# Altium PCB PE100-Rev1_1.PcbDoc (part 1 of 2) (continued)
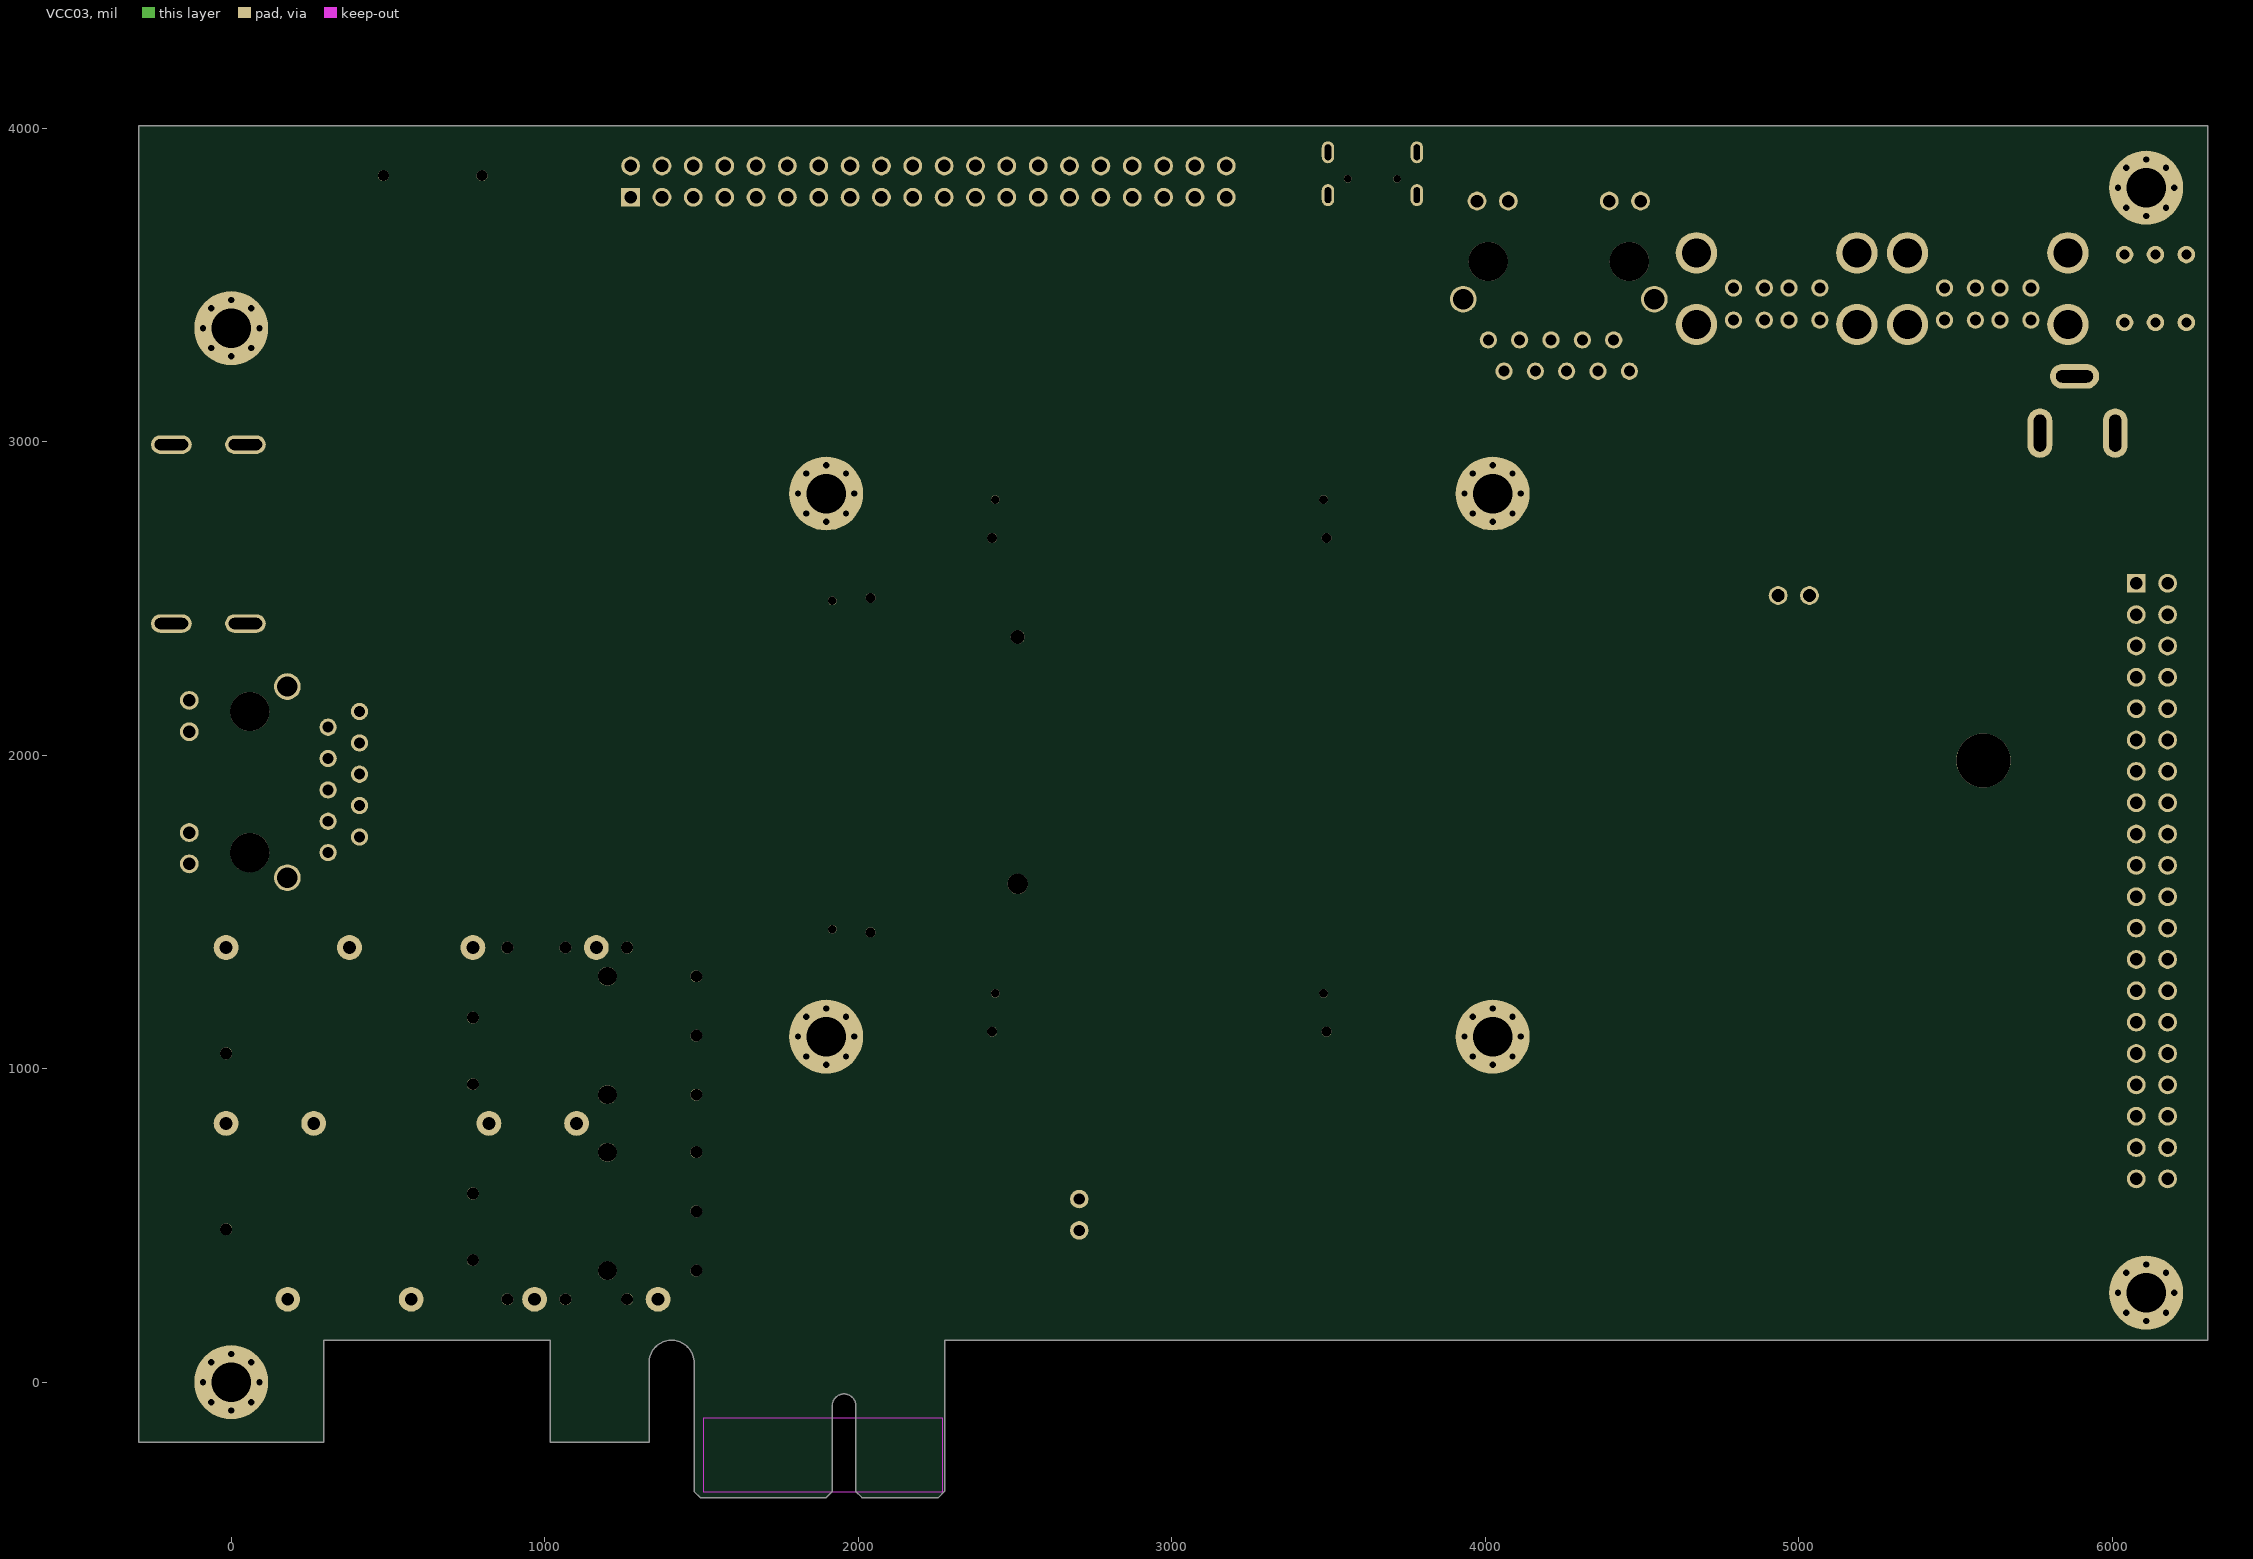
[diagram p3: VCC03]

## Layer stack, top to bottom
Top Solder: solder mask 0.4, Solder Resist, Dk 3.5
TOP: signal copper 1.2
Dielectric 1: core 8, FR-4, Dk 4.5
GND02: signal copper 1.2
Dielectric2: core 8, FR-4, Dk 4.5
VCC03: signal copper 1.2
Dielectric3: core 8, FR-4, Dk 4.5
BOTTOM: signal copper 1.2
Bottom Solder: solder mask 0.4, Solder Resist, Dk 3.5

## Board outline
1476.38,-348.42 1476.38,62.01 ccw(c1404.53,62.01) 1332.68,-190.94 1017.72,-190.94 1017.72,133.86 295.28,133.86 295.28,-190.94 -295.27,-190.94 -295.27,4007.88 6305.12,4007.88 6305.12,133.86 2275.6,133.86 2275.6,-348.07 2255.56,-368.11 2011.82,-368.11 1992.13,-348.42 1992.13,-74.8 ccw(c1954.73,-74.8) 1917.33,-348.42 1897.64,-368.11 1496.07,-368.11

## Design rules (kind name [scope] priority, off if disabled: settings)
Clearance [All] p1: gap=10 ignorepadtopadclearanceinfootprint=FALSE except(0: Arc-Hole Track-Hole SMDPad-Hole THPad-Hole Via-Hole Fill-Hole Poly-Hole Region-Hole Text-Hole)
DiffPairsRouting [All] p1: maxlimit=10 minlimit=10 mostfreqgap=10 toplayer_minwidth=15 toplayer_maxwidth=15 toplayer_prefwidth=15 midlayer1_minwidth=15 midlayer1_maxwidth=15 midlayer1_prefwidth=15 midlayer2_minwidth=15 midlayer2_maxwidth=15 midlayer2_prefwidth=15 bottomlayer_minwidth=15 bottomlayer_maxwidth=15 bottomlayer_prefwidth=15 maxuncoupledlength=500
PlaneConnect [All] p1: planeconnectstyle=Direct reliefexpansion=20 reliefentries=4 reliefconductorwidth=10 reliefairgap=10
PolygonConnect [All] p1: connectstyle=Direct reliefconductorwidth=10 reliefentries=4 polygonreliefangle="90 Angle" airgapwidth=10
RoomDefinition RoomsKeepin1 [All vs False] p1: confinementstyle=ConfineIn formatcopy=TRUE lockcomponents=FALSE outline 1673.23,-171.26 1673.23,62.01 1672.21,85.43 1669.15,108.67 1664.08,131.56 1657.03,153.91 1648.06,175.57 1637.23,196.36 1624.64,216.13 1610.37,234.73 1594.53,252.01 1577.25,267.85 1558.65,282.12 1538.88,294.71 1518.09,305.54 1496.43,314.51 1474.08,321.56 1451.19,326.63 1427.95,329.69 1404.53,330.71 1381.11,329.69 1357.87,326.63 1334.99,321.56 1312.63,314.51 1290.97,305.54 1270.18,294.71 1250.41,282.12 1231.82,267.85 1214.57,252.05 1214.57,330.71 98.43,330.71 98.43,5.91 -98.42,5.91 -98.42,3811.03 6108.27,3811.03 6108.27,330.71 2078.75,330.71 2078.75,123.93 2060.96,133.98 2042.36,142.44 2023.09,149.26 2003.3,154.36 1983.14,157.72 1962.77,159.31 1942.33,159.12 1921.99,157.15 1901.9,153.42 1882.21,147.94 1863.08,140.78 1844.64,131.97 1827.03,121.59 1810.4,109.71 1794.87,96.43 1780.56,81.84 1767.57,66.07 1756,49.22 1745.95,31.43 1737.49,12.83 1730.68,-6.44 1725.57,-26.23 1722.21,-46.39 1720.62,-66.76 1720.48,-74.8 1720.48,-171.26 1673.23,-171.26
RoomDefinition RoomsKeepin0 [All vs False] p2: confinementstyle=ConfineIn formatcopy=TRUE lockcomponents=FALSE outline 1673.23,-171.26 1673.23,62.01 1672.21,85.43 1669.15,108.67 1664.08,131.56 1657.03,153.91 1648.06,175.57 1637.23,196.36 1624.64,216.13 1610.37,234.73 1594.53,252.01 1577.25,267.85 1558.65,282.12 1538.88,294.71 1518.09,305.54 1496.43,314.51 1474.08,321.56 1451.19,326.63 1427.95,329.69 1404.53,330.71 1381.11,329.69 1357.87,326.63 1334.99,321.56 1312.63,314.51 1290.97,305.54 1270.18,294.71 1250.41,282.12 1231.82,267.85 1214.57,252.05 1214.57,330.71 98.43,330.71 98.43,5.91 -98.42,5.91 -98.42,3811.03 6108.27,3811.03 6108.27,330.71 2078.75,330.71 2078.75,123.93 2060.96,133.98 2042.36,142.44 2023.09,149.26 2003.3,154.36 1983.14,157.72 1962.77,159.31 1942.33,159.12 1921.99,157.15 1901.9,153.42 1882.21,147.94 1863.08,140.78 1844.64,131.97 1827.03,121.59 1810.4,109.71 1794.87,96.43 1780.56,81.84 1767.57,66.07 1756,49.22 1745.95,31.43 1737.49,12.83 1730.68,-6.44 1725.57,-26.23 1722.21,-46.39 1720.62,-66.76 1720.48,-74.8 1720.48,-171.26 1673.23,-171.26
RoutingVias [All] p1: holewidth=28 width=50 viastyle="Through Hole" minholewidth=28 minwidth=50 maxholewidth=28 maxwidth=50
SolderMaskExpansion [All] p1: expansion=4 istentingtop=FALSE
Width [All] p1: maxlimit=10 minlimit=10 preferedwidth=10 impedanceprofiledriven=TRUE minimp=0.000000 maximp=60.000000 favimp=60.000000
28 further rules are at their usual default settings.

## Classes and differential pairs
differential pair XADC_V: +XADC_VN -XADC_VP
differential pair DIFFPAIR9: +USB2UART_DM -USB2UART_DP
differential pair USB_OTG_: +USB_OTG_N -USB_OTG_P
differential pair TMDS_TXC_: +TMDS_TXC_N -TMDS_TXC_P
differential pair TMDS_TX2_: +TMDS_TX2_N -TMDS_TX2_P
differential pair TMDS_TX1_: +TMDS_TX1_N -TMDS_TX1_P
differential pair TMDS_TX0_: +TMDS_TX0_N -TMDS_TX0_P
differential pair SFP2_TX_: +SFP2_TX_N -SFP2_TX_P
differential pair SFP2_RX_: +SFP2_RX_N -SFP2_RX_P
differential pair SFP1_TX_: +SFP1_TX_N -SFP1_TX_P
differential pair SFP1_RX_: +SFP1_RX_N -SFP1_RX_P
differential pair DP_PCIE_TX_: +PCIE_TX_N -PCIE_TX_P
differential pair DP_PCIE_TX_: +PCIE_TX_CP -PCIE_TX_N
differential pair DP_PCIE_TX_: +PCIE_TX_CN -PCIE_TX_CP
differential pair DP_PCIE_RX_: +PCIE_RX_N -PCIE_RX_P
differential pair DIFFPAIR14: +PCIE_CLK_N -PCIE_CLK_P
differential pair DIFFPAIR14: +N18488617 -PCIE_CLK_N
differential pair DIFFPAIR14: +N18488615 -N18488617
differential pair DIFFPAIR14: +N18488591 -N18488615
differential pair DIFFPAIR14: +N18488589 -N18488591
differential pair DIFFPAIR11: +N18483477 -N18483479
differential pair DIFFPAIR10: +N18236382 -N18236386
differential pair DIFFPAIR7: +N18054907 -N18054909
differential pair DIFFPAIR6: +N18054885 -N18054897
differential pair DIFFPAIR4: +N18054877 -N18054887
differential pair DIFFPAIR5: +N18054871 -N18054879
differential pair DIFFPAIR8: +N18052822 -N18052826
differential pair DIFFPAIR10: +MGT_CLK1_P -N18236382
differential pair DIFFPAIR10: +MGT_CLK1_N -MGT_CLK1_P
differential pair DIFFPAIR13: +M22FPGA_0_N -M22FPGA_0_P
differential pair DIFFPAIR11: +M2_REFCLK_P -N18483477
differential pair DIFFPAIR11: +M2_REFCLK_N -M2_REFCLK_P
differential pair GPIO2_9: +GPIO2_9N -GPIO2_9P
differential pair GPIO2_8: +GPIO2_8N -GPIO2_8P
differential pair GPIO2_7: +GPIO2_7N -GPIO2_7P
differential pair GPIO2_6: +GPIO2_6N -GPIO2_6P
differential pair GPIO2_5: +GPIO2_5N -GPIO2_5P
differential pair GPIO2_4: +GPIO2_4N -GPIO2_4P
differential pair GPIO2_3: +GPIO2_3N -GPIO2_3P
differential pair GPIO2_2: +GPIO2_2N -GPIO2_2P
differential pair GPIO2_1: +GPIO2_1N -GPIO2_1P
differential pair GPIO2_17: +GPIO2_17N -GPIO2_17P
differential pair GPIO2_16: +GPIO2_16N -GPIO2_16P
differential pair GPIO2_15: +GPIO2_15N -GPIO2_15P
differential pair GPIO2_14: +GPIO2_14N -GPIO2_14P
differential pair GPIO2_13: +GPIO2_13N -GPIO2_13P
differential pair GPIO2_12: +GPIO2_12N -GPIO2_12P
differential pair GPIO2_11: +GPIO2_11N -GPIO2_11P
differential pair GPIO2_10: +GPIO2_10N -GPIO2_10P
differential pair GPIO2_0: +GPIO2_0N -GPIO2_0P
differential pair GPIO1_9: +GPIO1_9N -GPIO1_9P
differential pair GPIO1_8: +GPIO1_8N -GPIO1_8P
differential pair GPIO1_7: +GPIO1_7N -GPIO1_7P
differential pair GPIO1_6: +GPIO1_6N -GPIO1_6P
differential pair GPIO1_5: +GPIO1_5N -GPIO1_5P
differential pair GPIO1_4: +GPIO1_4N -GPIO1_4P
differential pair GPIO1_3: +GPIO1_3N -GPIO1_3P
differential pair GPIO1_2: +GPIO1_2N -GPIO1_2P
differential pair GPIO1_1: +GPIO1_1N -GPIO1_1P
differential pair GPIO1_17: +GPIO1_17N -GPIO1_17P
differential pair GPIO1_16: +GPIO1_16N -GPIO1_16P
differential pair GPIO1_15: +GPIO1_15N -GPIO1_15P
differential pair GPIO1_14: +GPIO1_14N -GPIO1_14P
differential pair GPIO1_13: +GPIO1_13N -GPIO1_13P
differential pair GPIO1_12: +GPIO1_12N -GPIO1_12P
differential pair GPIO1_11: +GPIO1_11N -GPIO1_11P
differential pair GPIO1_10: +GPIO1_10N -GPIO1_10P
differential pair GPIO1_0: +GPIO1_0N -GPIO1_0P
differential pair DIFFPAIR12: +FPGA2M2_0_N -FPGA2M2_0_P
differential pair DIFFPAIR12: +FPGA2M2_0_AC_P -FPGA2M2_0_N
differential pair DIFFPAIR12: +FPGA2M2_0_AC_N -FPGA2M2_0_AC_P
differential pair ETH1_MDI3_: +ETH1_MDI3_N -ETH1_MDI3_P
differential pair ETH1_MDI2_: +ETH1_MDI2_N -ETH1_MDI2_P
differential pair ETH1_MDI1_: +ETH1_MDI1_N -ETH1_MDI1_P
differential pair ETH1_MDI0_: +ETH1_MDI0_N -ETH1_MDI0_P
differential pair ETH_MDI3_: +ETH0_MDI3_N -ETH0_MDI3_P
differential pair ETH_MDI2_: +ETH0_MDI2_N -ETH0_MDI2_P
differential pair ETH_MDI1_: +ETH0_MDI1_N -ETH0_MDI1_P
differential pair ETH_MDI0_: +ETH0_MDI0_N -ETH0_MDI0_P
differential pair DIFFPAIR14: +CLK_N -N18488589
differential pair DIFFPAIR14: +CLK_CP -CLK_N

## Components (designator, comment, footprint, x,y, rotation, side; value= is the part's Value field where it differs from the comment)
B1 "BEAD_0603L_BLM18PG121SN1D" 0603L#1 3383.86,538.89 r90 top
B2 "BEAD_0603L_BLM18PG121SN1D" 0603L#1 2606.77,950 r180 top
B3 "BEAD_0603L_BLM18PG121SN1D" 0603L#1 2165,2410 r270 bottom
B4 "BEAD_0603L_BLM18PG121SN1D" 0603L#1 5620,3214.85 r90 bottom
B5 "BEAD_0603L_BLM18PG121SN1D" 0603L#1 5685,3214.85 r90 bottom
B6 "BEAD_0603L_BLM18PG121SN1D" 0603L#1 4990,3214.85 r90 bottom
B7 "BEAD_0603L_BLM18PG121SN1D" 0603L#1 5050,3214.85 r90 bottom
B8 "BEAD_0603L_BLM18PG121SN1D" 0603L#2 879.58,1690 r0 bottom
B9 "BEAD_0603L_BLM18PG121SN1D" 0603L#1 784.58,1800 r0 bottom
B12 "BEAD_0402L_BLM15AX601SN1D" 0402L 2610.39,580.77 r90 top
B13 "BEAD_0402L_BLM15AX601SN1D" 0402L 1710,1386.46 r0 bottom
B14 "BEAD_0603L_BLM18PG121SN1D" 0603L#1 932.67,1237.92 r90 bottom
B15 "BEAD_0603L_BLM18PG121SN1D" 0603L#1 932.67,1102.92 r270 bottom
B16 "BEAD_0603L_BLM18PG121SN1D" 0603L#1 932.67,676.89 r90 bottom
B17 "BEAD_0603L_BLM18PG121SN1D" 0603L#1 932.67,541.89 r270 bottom
B18 "BEAD_0603L_BLM18PG121SN1D(NC)" 0603L#1 3443.86,538.89 r90 top
C1 "CAP_0805C_10UF/25V" 0805C#1 4985,2335 r270 top
C2 "CAP_0805C_10UF/25V" 0805C#1 4985,2255 r270 top
C3 "C_0402C_0.1UF" 0402C#1 3695,3645 r0 bottom
C4 "C_0603C_10UF/10V" 0603C#1 3755.53,3626.82 r270 top
C5 "C_0402C_0.1UF" 0402C#1 3745.54,3681.82 r270 top
C6 "C_0402C_0.1UF" 0402C#1 3823.21,3499.38 r270 bottom
C7 "C_0603C_10UF/6.3V" 0603C#1 685,3305 r0 bottom
C8 "C_0402C_0.1UF" 0402C#1 635,3315 r0 bottom
C9 "CAP_0402C_0.1UF" 0402C#1 860.17,3320 r0 bottom
C10 "CAP_0402C_0.1UF" 0402C#1 1015,3140.47 r270 bottom
C11 "CAP_0603C_10UF/6.3V" 0603C#2 4775.98,3178.59 r0 bottom
C12 "CAP_0402C_0.1UF" 0402C#2 4831.65,3178.59 r0 bottom
C13 "CAP_0402C_0.1UF" 0402C#1 4980.98,3118.59 r90 bottom
C14 "CAP_0402C_0.1UF" 0402C#1 4645.39,2977.24 r270 top
C15 "CAP_0402C_1UF" 0402C#1 4960.08,2872.24 r90 top
C16 "CAP_0402C_1UF" 0402C#1 4880.39,3263.59 r90 top
C17 "CAP_0402C_12PF" 0402C#1 5005.08,2789.64 r0 top
C18 "CAP_0402C_12PF" 0402C#1 4775,2735 r270 top
C19 "CAP_0603C_10UF/10V" 0603C#2 5560,3214.85 r0 bottom
C20 "CAP_0603C_10UF/10V" 0603C#1 5200.97,2848.59 r90 bottom
C21 "CAP_0603C_10UF/10V" 0603C#2 5745.52,3214.85 r0 bottom
C22 "CAP_0402C_0.1UF" 0402C#1 5200.98,2903.59 r90 bottom
C23 "CAP_0603C_10UF/10V" 0603C#1 5485.97,3214.85 r0 bottom
C24 "CAP_0805C_47UF/10V" 0805C#1 5235.98,3198.59 r0 bottom
C25 "CAP_0805C_47UF/10V" 0805C#1 5415.98,3198.59 r0 bottom
C26 "CAP_0805C_47UF/10V" 0805C#1 5325.97,3198.59 r0 bottom
C27 "CAP_0603C_10UF/10V" 0603C#2 4905,3215 r0 bottom
C28 "CAP_0603C_10UF/10V" 0603C#2 5107.46,3214.85 r0 bottom
C29 "C_0402C_0.1UF" 0402C#1 4459.81,3083.59 r0 top
C30 "CAP_1206C_100PF/1000V" 1206C#1 4288.11,3690.5 r90 bottom
C35 "CAP_0402C_0.1UF" 0402C#1 1545,3493 r90 top
C36 "CAP_0402C_0.1UF" 0402C#1 1545,3303 r90 top
C37 "CAP_0402C_0.1UF" 0402C#1 1545,3113 r90 top
C38 "CAP_0603C_10UF/6.3V" 0603C#1 1014.57,1749.03 r90 bottom
C39 "CAP_0402C_0.1UF" 0402C#2 964.58,2049.03 r0 bottom
C40 "CAP_0603C_10UF/6.3V" 0603C#1 879.57,1749.03 r90 bottom
C41 "CAP_0402C_0.1UF" 0402C#1 774.57,1949.03 r270 bottom
C42 "CAP_0402C_0.1UF" 0402C#2 859.58,2049.03 r0 bottom
C43 "CAP_0402C_0.1UF" 0402C#1 1084.57,1924.04 r90 bottom
C44 "CAP_0603C_10UF/6.3V" 0603C#2 794.57,2039.03 r0 bottom
C45 "CAP_0603C_10UF/6.3V" 0603C#1 784.58,1899.03 r270 bottom
C46 "CAP_0402C_0.1UF" 0402C#1 774.58,1849.03 r270 bottom
C47 "C_0402C_0.1UF" 0402C#1 616.74,2134.03 r90 top
C52 "CAP_0402C_12PF" 0402C#1 992.91,1525 r180 top
C53 "CAP_0402C_12PF" 0402C#1 797.91,1525 r0 top
C54 "CAP_0603C_47UF/6.3V" 0603C#1 590,3020 r0 bottom
C55 "CAP_0402C_0.1UF" 0402C#1 695,3010 r0 bottom
C56 "CAP_0402C_0.1UF" 0402C#1 645,3010 r0 bottom
C57 "CAP_0603C_10UF/6.3V" 0603C#2 380,2505 r0 bottom
C58 "CAP_0402C_0.1UF" 0402C#1 475,2509.6 r270 bottom
C59 "CAP_0402C_0.1UF" 0402C#1 475,2555 r270 bottom
C60 "CAP_0402C_0.1UF" 0402C#2 2035,155 r0 bottom
C61 "CAP_0402C_0.1UF" 0402C#2 2080,155 r0 bottom
C62 "CAP_0402C_0.1UF" 0402C#2 2168.45,155 r0 bottom
C63 "CAP_0402C_0.1UF" 0402C#2 2213.45,155 r0 bottom
C66 "CAP_0402C_1UF" 0402C#1 1710,1431.46 r270 bottom
C67 "CAP_0402C_0.1UF" 0402C#1 1712,1478.38 r90 bottom
C68 "CAP_0402C_0.1UF" 0402C#1 2035,590 r0 top
C69 "CAP_0402C_0.1UF" 0402C#1 2080,590 r0 top
C70 "CAP_0402C_0.1UF" 0402C#1 1712,1518.38 r90 bottom
C72 "CAP_0402C_0.1UF" 0402C#1 2184.37,1907.18 r90 bottom
C73 "CAP_0402C_0.1UF" 0402C#1 2184.37,1862.19 r90 bottom
C74 "CAP_0603C_10UF/6.3V" 0603C#1 996.47,1237.92 r0 bottom
C75 "CAP_0402C_0.1UF" 0402C#1 1051.46,1212.92 r0 bottom
C76 "CAP_0603C_10UF/6.3V" 0603C#2 996.47,1102.91 r0 bottom
C77 "CAP_0603C_10UF/6.3V" 0603C#2 996.47,967.91 r0 bottom
C78 "CAP_0402C_0.1UF" 0402C#2 935,977.92 r0 bottom
C79 "CAP_0402C_0.1UF" 0402C#2 1051.46,1122.92 r0 bottom
C80 "CAP_0603C_10UF/6.3V" 0603C#1 996.47,676.89 r0 bottom
C81 "CAP_0402C_0.1UF" 0402C#1 1051.46,651.89 r0 bottom
C82 "CAP_0603C_10UF/6.3V" 0603C#2 996.47,406.89 r0 bottom
C83 "CAP_0603C_10UF/6.3V" 0603C#2 996.47,541.89 r0 bottom
C84 "CAP_0402C_0.1UF" 0402C#2 940,415 r0 bottom
C85 "CAP_0402C_0.1UF" 0402C#2 1051.47,561.89 r0 bottom
C86 "CAP_0402C_0.1UF" 0402C#1 1744.25,3295 r270 top
C87 "CAP_0805C_47UF/10V" 0805C#1 2100,3338.61 r0 top
C88 "CAP_0402C_0.1UF" 0402C#1 2035,3338.61 r0 top
C89 "C_0805C_10UF/25V" 0805C#1 5623.15,2730 r0 top
C90 "C_0805C_10UF/25V" 0805C#1 5710,2730 r0 top
C91 "CAP_0402C_0.1UF" 0402C#1 1744.25,3205 r270 top
C92 "CAP_0402C_0.1UF" 0402C#1 1546.26,2070 r0 top
C93 "CAP_0402C_0.1UF" 0402C#1 455,3264.99 r90 top
C94 "CAP_0402C_15PF" 0402C#1 570.31,3085 r270 top
C95 "CAP_0402C_15PF" 0402C#1 1216.26,2045 r90 top
C96 "CAP_0805C_47UF/6.3V" 0805C#1 300,2955 r90 top
C97 "CAP_0402C_0.1UF" 0402C#1 305,3020 r90 top
C98 "CAP_0805C_47UF/6.3V" 0805C#1 1196.26,2205 r0 top
C99 "CAP_0402C_0.1UF" 0402C#1 1265,2210 r0 top
C100 "CAP_0402C_0.1UF" 0402C#1 4340.01,2510 r180 top
C101 "CAP_0402C_15PF" 0402C#1 4595,2512.8 r180 top
C102 "CAP_0805C_47UF/6.3V" 0805C#1 4685,2375 r180 top
C103 "CAP_0402C_0.1UF" 0402C#1 4615,2375 r180 top
C104 "CAP_1206C_100PF/1000V" 1206C#2 40.5,1880 r0 bottom
C105 "CAP_0402C_0.1UF" 0402C#1 3445,3305 r270 bottom
C106 "CAP_0402C_0.1UF" 0402C#1 225,3475 r270 top
C108 "CAP_0603C_10UF/6.3V" 0603C#1 3503.86,538.89 r180 top
C109 "CAP_0402C_0.1UF" 0402C#1 3723.86,526.49 r180 top
C110 "CAP_0402C_0.1UF" 0402C#1 2570,580.18 r180 top
C111 "CAP_0402C_0.1UF" 0402C#1 475,2465 r90 bottom
C112 "CAP_0402C_0.1UF" 0402C#1 900,2850 r0 bottom
C113 "CAP_0805C_47UF/6.3V" 0805C#1 835,2885 r0 bottom
C114 "CAP_0402C_0.1UF" 0402C#1 915,2500 r90 bottom
C115 "CAP_0402C_0.1UF" 0402C#2 780,2735 r0 bottom
C116 "CAP_0402C_0.1UF" 0402C#2 540,2740 r0 bottom
C117 "CAP_0402C_0.1UF" 0402C#1 475,2600 r270 bottom
C118 "CAP_0805C_47UF/6.3V" 0805C#1 475,2820 r0 bottom
C119 "CAP_0402C_0.1UF" 0402C#1 475,2715 r270 bottom
C120 "CAP_0402C_0.1UF" 0402C#2 585,2740 r0 bottom
C121 "CAP_0805C_47UF/6.3V" 0805C#2 695,2720 r0 bottom
C122 "CAP_0402C_0.1UF" 0402C#2 630,2740 r0 bottom
D1 "BAT54S/SOT_SOT23-236AB_BAT54S/S" SOT23-236AB 920,3285 r270 top
D2 "BAT54S/SOT_SOT23-236AB_BAT54S/S" SOT23-236AB 1035,3600 r270 top
D3 "BAT54S/SOT_SOT23-236AB_BAT54S/S" SOT23-236AB 1035,3425 r270 top
D4 "BAT54S/SOT_SOT23-236AB_BAT54S/S" SOT23-236AB 855,3455 r270 top
D5 "DIODE_SMA_SS36" SMA 5505,2497 r90 top
D6 "LED_0603LED_AK_RED_LED" 0603LED_AK 5840,2750 r180 top
D7 "TVS_SMAJ5_0.0CA_5V_SOD123_AK_BZ" SOD123_AK 5380.31,2450 r270 top
D8 "LED_0603LED_GREEN_LED" 0603LED 1190,2975 r270 top
D9 "LED_0603LED_GREEN_LED" 0603LED 1270,2975 r270 top
D10 "LED_0603LED_GREEN_LED" 0603LED 1345,2975 r270 top
D11 "LED_0603LED_GREEN_LED" 0603LED 1425,2975 r270 top
F1 "FUSE_1812F_2A" 1812F 5475,2948.66 r180 top
F2 "FUSE_0603F_SMD0603-050" 0603F 139.16,2840 r270 bottom
J2 "CON10A_DC3_10P_2P54MM_SM_JTAG" DC3_10P_2P54MM_SM 535,3770 r270 top
J3 "CON2_XH2_1X2_2P54MM_CON2" XH2_1X2_2P54MM 4984.02,2535 r270 top
J4 "USB_MICROTYPE_USBMICRO_H_USB_MI" USBMICRO_H 3640.13,3886.32 r180 top
J5 "MICROSD_1_TF-15-15B_MICROSD" TF-15-15B 680.2,3710.8 r0 bottom
J6 "DUAL USB_USB_TPYEA_DUAL_DUAL US" USB_TPYEA_DUAL 5602.72,3667.33 r270 top
J7 "DUAL USB_USB_TPYEA_DUAL_DUAL US" USB_TPYEA_DUAL 4929.5,3667.33 r270 top
J8 "RJ45_HR911130A_2_RJ45_HR911130A" RJ45_HR911130A 4234.62,3588.59 r0 top
J9 "RJ45_HR911130A_2_RJ45_HR911130A" RJ45_HR911130A 45.28,1914.08 r90 top
J10 "HDMI_HDMI19S_HDMI" HDMI19S -151.57,2705.43 r270 top
J11 "M2_NGFF_REC_M2_KEY_M_SOCKET_M.2" M2_KEY_M_SOCKET 2449.37,1983.11 r0 bottom
J12 "SPF CONNECTOR_1367073-1_SPF CON" 1367073-1 1200,1105.81 r0 top
J13 "SFP CAGE_SFPX2_CASE_SFP CAGE" SFPX2_CASE 529.72,820 r90 top
J14 "SPF CONNECTOR_1367073-1_SPF CON" 1367073-1 1200,544.79 r0 top
J15 "CON40A_IDC40-2_54A_CON40A" IDC40-2_54A 6126.65,1595.96 r270 top
J16 "CON40A_IDC40-2_54A_CON40A" IDC40-2_54A 2226.48,3829.57 r0 top
J18 "POWER_DC-JACK_DC_0050_DC_JACK" DC_0050 6007.76,3056.92 r0 top
J19 "CON2_SIP2-2P54_CON2" SIP2-2P54 2705,535 r270 top
JM1 "CON 50X2_1_QT51A01-38200-7H_CON" QT51A01-38200-7H 2960.63,1181.1 r90 top
JM2 "CON 50X2_1_QT51A01-38200-7H_CON" QT51A01-38200-7H 1976.38,1968.5 r180 top
JM3 "CON 50X2_1_QT51A01-38200-7H_CON" QT51A01-38200-7H 2960.63,2755.91 r90 top
K1 "SW_2P_SW2_3X6_SW_2P" SW2_3X6 1289.26,3490.5 r0 top
K2 "SW_2P_SW2_3X6_SW_2P" SW2_3X6 1289.26,3300.5 r0 top
K3 "SW_2P_SW2_3X6_SW_2P" SW2_3X6 1289.26,3110.5 r0 top
L1 "L_L4020_1.5UH" L4020 1899.25,3340 r0 top
L2 "L_L4020_1UH" L4020 1406.26,2220 r180 top
L3 "L_L4020_1UH" L4020 305,3150 r270 top
L4 "L_L4020_1UH" L4020 4475,2360 r0 top
L9 "L_L0805_10UH" L0805#1 615,2860 r0 bottom
L10 "L_L0805_10UH" L0805#2 755,2880 r90 bottom
L11 "L_L0805_10UH" L0805#2 390,2820 r90 bottom
M1 "TP_R_HOLE32CIR60_HOLE" HOLE32CIR60 4023.63,1102.36 r0 bottom
M2 "TP_R_HOLE32CIR60_HOLE" HOLE32CIR60 4023.63,2834.65 r0 top
M3 "TP_R_HOLE32CIR60_HOLE" HOLE32CIR60 1897.64,1102.36 r0 top
M4 "TP_R_HOLE32CIR60_HOLE" HOLE32CIR60 1897.64,2834.65 r0 top
M5 "TP_R_HOLE32CIR60_HOLE" HOLE32CIR60 0,3362.21 r0 top
M6 "TP_R_HOLE32CIR60_HOLE" HOLE32CIR60 0,0 r0 top
M7 "TP_R_HOLE32CIR60_HOLE" HOLE32CIR60 6108.27,3810.24 r0 top
M8 "TP_R_HOLE32CIR60_HOLE" HOLE32CIR60 6108.27,285.44 r0 top
M9 "TP_R_HOLE173NH-TOP_SPACER_6MM_R" HOLE173NH-TOP 5589.13,1983.11 r270 bottom
Q1 "WNM2021-3TR_AO3415_WNM2021-3TR" AO3415 2774.37,1865 r270 bottom
Q2 "AO3415_AO3415_AO3415" AO3415 5345,2710 r0 top
Q3 "AO3415_AO3415_AO3415" AO3415 5495,2700 r270 top
Q4 "MMBT5401L_0_SOT23-3_MMBTA92LT1G" SOT23-3 5267.71,2470 r180 top
Q5 "NPN2_SOT23_MMBT5551" SOT23 5839.41,2605 r0 top
R1 "RESISTOR_0402R_0R" 0402R#1 790,3285 r180 top
R2 "RESISTOR_0402R_0R" 0402R#1 1025,3700 r180 top
R3 "RESISTOR_0402R_0R" 0402R#1 890,3555 r180 top
R4 "RESISTOR_0402R_0R" 0402R#1 730,3455 r180 top
R5 "R_0402R_4.7K" 0402R#1 3365,3530 r270 bottom
R6 "R_0402R_33R" 0402R#1 3670.53,3666.82 r270 top
R7 "R_0402R_33R" 0402R#1 3635.53,3666.82 r270 top
R8 "R_0402R_4.7K" 0402R#2 3822.9,3539.38 r0 bottom
R9 "RESISTOR_0402R_4.7K(NC)" 0402R#1 1020,3240 r0 bottom
R11 "RESISTOR_0402R_4.7K" 0402R#2 1020,3275 r0 bottom
R13 "R_0402R_4.7K" 0402R#1 730,3315 r270 bottom
R14 "R_0402R_4.7K(NC)" 0402R#1 595.32,3315 r270 bottom
R17 "RESISTOR_0402R_10K" 0402R#1 5055.98,3103.59 r270 bottom
R18 "RESISTOR_0402R_10K" 0402R#1 3423.23,2580 r180 top
R19 "RESISTOR_0402R_10K" 0402R#1 4645.39,2902.24 r180 top
R20 "RESISTOR_0402R_10K" 0402R#1 4645.39,2937.24 r180 top
R21 "RESISTOR_0402R_12K 1%" 0402R#1 5040.08,2872.24 r0 top
R22 "RESISTOR_0402R_10K" 0402R#1 4645.39,2865 r180 top
R23 "RESISTOR_0402R_10K" 0402R#1 4645.39,3097.24 r180 top
R24 "RESISTOR_0402R_10K" 0402R#1 4645.39,3057.24 r180 top
R25 "RESISTOR_0402R_10K" 0402R#1 4645.39,3017.24 r180 top
R26 "R_0402R_10M(NC)" 0402R#1 4880.08,2872.24 r180 top
R27 "RESISTOR_0402R_100K" 0402R#1 5055.98,2980 r270 bottom
R28 "RESISTOR_0402R_100K" 0402R#1 5090.98,2980 r90 bottom
R29 "R_0402R_330R" 0402R#2 3827.9,3655 r0 bottom
R30 "R_0402R_330R" 0402R#2 3827.9,3620 r0 bottom
R39 "R_1206R_1M" 1206R 4175,3691 r270 bottom
R40 "R_0402R_10K" 0402R#1 1544.69,3228 r180 top
R41 "R_0402R_10K" 0402R#1 1544.69,3418 r180 top
R42 "R_0402R_10K" 0402R#1 1544.69,3038 r180 top
R43 "R_0402R_330R" 0402R#1 1544.69,3453 r180 top
R44 "R_0402R_330R" 0402R#1 1544.69,3263 r180 top

## Text inside footprints (layer, text, board x,y; h text height)
J14: PIN_NUMBER "7" at 1037,489.67 h3.94 r90; PIN_NUMBER "5" at 1037,552.66 h3.94 r90; PIN_NUMBER "3" at 1037,615.65 h3.94 r90; PIN_NUMBER "18" at 1358.26,631.4 h3.94 r90; PIN_NUMBER "4" at 1037,584.15 h3.94 r90; PIN_NUMBER "8" at 1037,458.17 h3.94 r90; PIN_NUMBER "2" at 1037,647.15 h3.94 r90; PIN_NUMBER "6" at 1037,521.16 h3.94 r90; PIN_NUMBER "13" at 1358.26,473.92 h3.94 r90; PIN_NUMBER "19" at 1358.26,662.89 h3.94 r90; PIN_NUMBER "12" at 1358.26,442.42 h3.94 r90; PIN_NUMBER "17" at 1358.26,599.9 h3.94 r90; PIN_NUMBER "20" at 1358.26,694.39 h3.94 r90; PIN_NUMBER "1" at 1037,678.64 h3.94 r90; PIN_NUMBER "10" at 1035.43,395.18 h3.94 r90; PIN_NUMBER "9" at 1037,426.67 h3.94 r90; PIN_NUMBER "11" at 1358.26,410.93 h3.94 r90; PIN_NUMBER "14" at 1358.26,505.41 h3.94 r90; PIN_NUMBER "16" at 1358.26,568.41 h3.94 r90; PIN_NUMBER "15" at 1358.26,536.91 h3.94 r90; ASSEMBLY_TOP "*" at 1186.3,528.05 h25; ASSEMBLY_TOP "*" at 1186.3,528.05 h25; ASSEMBLY_TOP "SPF CONNECTOR" at 1186.3,528.05 h25
J15: PIN_NUMBER "21" at 6056.65,1548.46 h25 r270; PIN_NUMBER "23" at 6056.65,1448.46 h25 r270; PIN_NUMBER "16" at 6156.65,1848.46 h25 r270; PIN_NUMBER "20" at 6156.65,1648.46 h25 r270; PIN_NUMBER "19" at 6056.65,1648.46 h25 r270; PIN_NUMBER "10" at 6156.65,2148.46 h25 r270; PIN_NUMBER "32" at 6156.65,1048.46 h25 r270; PIN_NUMBER "39" at 6056.65,648.46 h25 r270; PIN_NUMBER "14" at 6156.65,1948.46 h25 r270; PIN_NUMBER "5" at 6066.65,2348.46 h25 r270; PIN_NUMBER "34" at 6156.65,948.46 h25 r270; PIN_NUMBER "31" at 6056.65,1048.46 h25 r270; PIN_NUMBER "37" at 6056.65,748.46 h25 r270; PIN_NUMBER "35" at 6056.65,848.46 h25 r270; PIN_NUMBER "24" at 6156.65,1448.46 h25 r270; PIN_NUMBER "13" at 6056.65,1948.46 h25 r270; PIN_NUMBER "27" at 6056.65,1248.46 h25 r270; PIN_NUMBER "17" at 6056.65,1748.46 h25 r270; PIN_NUMBER "3" at 6066.65,2448.46 h25 r270; PIN_NUMBER "36" at 6156.65,848.46 h25 r270; PIN_NUMBER "38" at 6156.65,748.46 h25 r270; PIN_NUMBER "6" at 6166.65,2348.46 h25 r270; PIN_NUMBER "33" at 6056.65,948.46 h25 r270; PIN_NUMBER "9" at 6066.65,2148.46 h25 r270; PIN_NUMBER "4" at 6166.65,2448.46 h25 r270; PIN_NUMBER "22" at 6156.65,1548.46 h25 r270; PIN_NUMBER "26" at 6156.65,1348.46 h25 r270; PIN_NUMBER "2" at 6166.65,2548.46 h25 r270; PIN_NUMBER "25" at 6056.65,1348.46 h25 r270; PIN_NUMBER "15" at 6056.65,1848.46 h25 r270; PIN_NUMBER "1" at 6066.65,2548.46 h25 r270; PIN_NUMBER "7" at 6066.65,2248.46 h25 r270; PIN_NUMBER "18" at 6156.65,1748.46 h25 r270; PIN_NUMBER "8" at 6166.65,2248.46 h25 r270; PIN_NUMBER "40" at 6156.65,648.46 h25 r270; PIN_NUMBER "28" at 6156.65,1248.46 h25 r270; PIN_NUMBER "11" at 6056.65,2048.46 h25 r270; PIN_NUMBER "30" at 6156.65,1148.46 h25 r270; PIN_NUMBER "12" at 6156.65,2048.46 h25 r270; PIN_NUMBER "29" at 6056.65,1148.46 h25 r270
J16: PIN_NUMBER "5" at 1463.98,3779.57 h25; PIN_NUMBER "28" at 2553.98,3879.57 h25; PIN_NUMBER "3" at 1363.98,3779.57 h25; PIN_NUMBER "36" at 2953.98,3879.57 h25; PIN_NUMBER "33" at 2853.98,3779.57 h25; PIN_NUMBER "10" at 1653.98,3879.57 h25; PIN_NUMBER "18" at 2053.98,3879.57 h25; PIN_NUMBER "2" at 1263.98,3879.57 h25; PIN_NUMBER "32" at 2753.98,3879.57 h25; PIN_NUMBER "27" at 2553.98,3779.57 h25; PIN_NUMBER "23" at 2353.98,3779.57 h25; PIN_NUMBER "16" at 1953.98,3879.57 h25; PIN_NUMBER "17" at 2053.98,3779.57 h25; PIN_NUMBER "40" at 3153.98,3879.57 h25; PIN_NUMBER "9" at 1663.98,3779.57 h25; PIN_NUMBER "7" at 1563.98,3779.57 h25; PIN_NUMBER "24" at 2353.98,3879.57 h25; PIN_NUMBER "21" at 2253.98,3779.57 h25; PIN_NUMBER "34" at 2853.98,3879.57 h25; PIN_NUMBER "4" at 1363.98,3879.57 h25; PIN_NUMBER "37" at 3053.98,3779.57 h25; PIN_NUMBER "26" at 2453.98,3879.57 h25; PIN_NUMBER "25" at 2453.98,3779.57 h25; PIN_NUMBER "8" at 1563.98,3879.57 h25; PIN_NUMBER "15" at 1953.98,3779.57 h25; PIN_NUMBER "35" at 2953.98,3779.57 h25; PIN_NUMBER "14" at 1853.98,3879.57 h25; PIN_NUMBER "13" at 1853.98,3779.57 h25; PIN_NUMBER "6" at 1463.98,3879.57 h25; PIN_NUMBER "19" at 2153.98,3779.57 h25; PIN_NUMBER "31" at 2753.98,3779.57 h25; PIN_NUMBER "22" at 2253.98,3879.57 h25; PIN_NUMBER "20" at 2153.98,3879.57 h25; PIN_NUMBER "1" at 1263.98,3779.57 h25; PIN_NUMBER "39" at 3153.98,3779.57 h25; PIN_NUMBER "38" at 3053.98,3879.57 h25; PIN_NUMBER "11" at 1753.98,3779.57 h25; PIN_NUMBER "30" at 2653.98,3879.57 h25; PIN_NUMBER "12" at 1753.98,3879.57 h25; PIN_NUMBER "29" at 2653.98,3779.57 h25
J18: PIN_NUMBER "1" at 5760.11,3027.4 h23.62; PIN_NUMBER "2" at 6000.27,3027.4 h23.62; PIN_NUMBER "3" at 5870.35,3208.5 h23.62; ASSEMBLY_TOP "*********" at 5944.76,3007.71 h23.62; ASSEMBLY_TOP "DC_JACK" at 5881.77,3110.08 h23.62; ASSEMBLY_TOP "?" at 5877.83,3066.77 h23.62
J19: PIN_NUMBER "1" at 2695,584.2 h25 r270; PIN_NUMBER "2" at 2695,484.2 h25 r270
JM1: PIN_NUMBER "35" at 2809.84,1082.68 h3.94 r90; PIN_NUMBER "37" at 2829.53,1082.68 h3.94 r90; PIN_NUMBER "27" at 2731.1,1082.68 h3.94 r90; PIN_NUMBER "23" at 2691.73,1082.68 h3.94 r90; PIN_NUMBER "25" at 2711.42,1082.68 h3.94 r90; PIN_NUMBER "1" at 2467.78,1082.68 h3.94 r90; PIN_NUMBER "33" at 2790.16,1082.68 h3.94 r90; PIN_NUMBER "21" at 2672.05,1082.68 h3.94 r90; PIN_NUMBER "31" at 2770.47,1082.68 h3.94 r90; PIN_NUMBER "81" at 3262.6,1082.68 h3.94 r90; PIN_NUMBER "75" at 3203.54,1082.68 h3.94 r90; PIN_NUMBER "94" at 3380.71,1279.53 h3.94 r90; PIN_NUMBER "87" at 3321.65,1082.68 h3.94 r90; PIN_NUMBER "85" at 3301.97,1082.68 h3.94 r90; PIN_NUMBER "88" at 3321.65,1279.53 h3.94 r90; PIN_NUMBER "63" at 3085.43,1082.68 h3.94 r90; PIN_NUMBER "41" at 2868.9,1082.68 h3.94 r90; PIN_NUMBER "98" at 3420.08,1279.53 h3.94 r90; PIN_NUMBER "72" at 3164.17,1279.53 h3.94 r90; PIN_NUMBER "57" at 3026.38,1082.68 h3.94 r90; PIN_NUMBER "61" at 3065.75,1082.68 h3.94 r90; PIN_NUMBER "45" at 2908.27,1082.68 h3.94 r90; PIN_NUMBER "51" at 2967.32,1082.68 h3.94 r90; PIN_NUMBER "77" at 3223.23,1082.68 h3.94 r90; PIN_NUMBER "96" at 3400.39,1279.53 h3.94 r90; PIN_NUMBER "65" at 3105.12,1082.68 h3.94 r90; PIN_NUMBER "95" at 3400.39,1082.68 h3.94 r90; PIN_NUMBER "66" at 3105.12,1279.53 h3.94 r90; PIN_NUMBER "53" at 2987.01,1082.68 h3.94 r90; PIN_NUMBER "47" at 2927.95,1082.68 h3.94 r90; PIN_NUMBER "74" at 3183.86,1279.53 h3.94 r90; PIN_NUMBER "55" at 3006.69,1082.68 h3.94 r90; PIN_NUMBER "86" at 3301.97,1279.53 h3.94 r90; PIN_NUMBER "68" at 3124.8,1279.53 h3.94 r90; PIN_NUMBER "83" at 3282.28,1082.68 h3.94 r90; PIN_NUMBER "73" at 3183.86,1082.68 h3.94 r90; PIN_NUMBER "84" at 3282.28,1279.53 h3.94 r90; PIN_NUMBER "71" at 3164.17,1082.68 h3.94 r90; PIN_NUMBER "92" at 3361.02,1279.53 h3.94 r90; PIN_NUMBER "82" at 3262.6,1279.53 h3.94 r90; PIN_NUMBER "76" at 3203.54,1279.53 h3.94 r90; PIN_NUMBER "97" at 3420.08,1082.68 h3.94 r90; PIN_NUMBER "78" at 3223.23,1279.53 h3.94 r90; PIN_NUMBER "43" at 2888.58,1082.68 h3.94 r90; PIN_NUMBER "67" at 3124.8,1082.68 h3.94 r90; PIN_NUMBER "38" at 2829.53,1279.53 h3.94 r90; PIN_NUMBER "54" at 2987.01,1279.53 h3.94 r90; PIN_NUMBER "46" at 2908.27,1279.53 h3.94 r90; PIN_NUMBER "14" at 2593.31,1279.53 h3.94 r90; PIN_NUMBER "44" at 2888.58,1279.53 h3.94 r90; PIN_NUMBER "36" at 2809.84,1279.53 h3.94 r90; PIN_NUMBER "26" at 2711.42,1279.53 h3.94 r90; PIN_NUMBER "8" at 2535.83,1279.53 h3.94 r90; PIN_NUMBER "12" at 2573.62,1279.53 h3.94 r90; PIN_NUMBER "64" at 3085.43,1279.53 h3.94 r90; PIN_NUMBER "28" at 2731.1,1279.53 h3.94 r90; PIN_NUMBER "22" at 2672.05,1279.53 h3.94 r90; PIN_NUMBER "48" at 2927.95,1279.53 h3.94 r90; PIN_NUMBER "56" at 3006.69,1279.53 h3.94 r90; PIN_NUMBER "34" at 2790.16,1279.53 h3.94 r90; PIN_NUMBER "32" at 2770.47,1279.53 h3.94 r90; PIN_NUMBER "6" at 2516.14,1279.53 h3.94 r90; PIN_NUMBER "52" at 2967.32,1279.53 h3.94 r90; PIN_NUMBER "4" at 2496.46,1279.53 h3.94 r90; PIN_NUMBER "2" at 2467.78,1279.53 h3.94 r90; PIN_NUMBER "16" at 2612.99,1279.53 h3.94 r90; PIN_NUMBER "42" at 2868.9,1279.53 h3.94 r90; PIN_NUMBER "24" at 2691.73,1279.53 h3.94 r90; PIN_NUMBER "18" at 2632.68,1279.53 h3.94 r90; PIN_NUMBER "62" at 3065.75,1279.53 h3.94 r90; PIN_NUMBER "58" at 3026.38,1279.53 h3.94 r90; PIN_NUMBER "11" at 2573.62,1082.68 h3.94 r90; PIN_NUMBER "13" at 2593.31,1082.68 h3.94 r90; PIN_NUMBER "91" at 3361.02,1082.68 h3.94 r90; PIN_NUMBER "93" at 3380.71,1082.68 h3.94 r90; PIN_NUMBER "60" at 3046.06,1279.53 h3.94 r90; PIN_NUMBER "50" at 2947.64,1279.53 h3.94 r90; PIN_NUMBER "9" at 2555.51,1082.68 h3.94 r90; PIN_NUMBER "19" at 2652.36,1082.68 h3.94 r90; PIN_NUMBER "29" at 2750.79,1082.68 h3.94 r90; PIN_NUMBER "99" at 3448.76,1082.68 h3.94 r90; PIN_NUMBER "89" at 3341.34,1082.68 h3.94 r90; PIN_NUMBER "100" at 3447.19,1279.53 h3.94 r90; PIN_NUMBER "90" at 3341.34,1279.53 h3.94 r90; PIN_NUMBER "80" at 3242.91,1279.53 h3.94 r90; PIN_NUMBER "70" at 3144.49,1279.53 h3.94 r90; PIN_NUMBER "40" at 2849.21,1279.53 h3.94 r90; PIN_NUMBER "30" at 2750.79,1279.53 h3.94 r90; PIN_NUMBER "20" at 2652.36,1279.53 h3.94 r90; PIN_NUMBER "10" at 2553.94,1279.53 h3.94 r90; PIN_NUMBER "49" at 2947.64,1082.68 h3.94 r90; PIN_NUMBER "39" at 2849.21,1082.68 h3.94 r90; PIN_NUMBER "59" at 3046.06,1082.68 h3.94 r90; PIN_NUMBER "69" at 3144.49,1082.68 h3.94 r90; PIN_NUMBER "79" at 3242.91,1082.68 h3.94 r90; PIN_NUMBER "3" at 2496.46,1082.68 h3.94 r90; PIN_NUMBER "5" at 2516.14,1082.68 h3.94 r90; PIN_NUMBER "15" at 2612.99,1082.68 h3.94 r90; PIN_NUMBER "7" at 2535.83,1082.68 h3.94 r90; PIN_NUMBER "17" at 2632.68,1082.68 h3.94 r90; ASSEMBLY_TOP "*" at 2969.49,1167.4 h25 r90; ASSEMBLY_TOP "*" at 2969.49,1167.4 h25 r90; ASSEMBLY_TOP "CON50x2 REC" at 2969.49,1167.4 h25 r90
JM2: PIN_NUMBER "31" at 2071.65,1781.5 h3.94 r180; PIN_NUMBER "44" at 1874.8,1899.61 h3.94 r180; PIN_NUMBER "54" at 1874.8,1998.03 h3.94 r180; PIN_NUMBER "36" at 1874.8,1820.87 h3.94 r180; PIN_NUMBER "56" at 1874.8,2017.72 h3.94 r180; PIN_NUMBER "32" at 1874.8,1781.5 h3.94 r180; PIN_NUMBER "34" at 1874.8,1801.18 h3.94 r180; PIN_NUMBER "62" at 1874.8,2076.77 h3.94 r180; PIN_NUMBER "15" at 2071.65,1624.02 h3.94 r180; PIN_NUMBER "58" at 1874.8,2037.4 h3.94 r180; PIN_NUMBER "48" at 1874.8,1938.98 h3.94 r180; PIN_NUMBER "42" at 1874.8,1879.92 h3.94 r180; PIN_NUMBER "35" at 2071.65,1820.87 h3.94 r180; PIN_NUMBER "16" at 1874.8,1624.02 h3.94 r180; PIN_NUMBER "13" at 2071.65,1604.33 h3.94 r180; PIN_NUMBER "14" at 1874.8,1604.33 h3.94 r180; PIN_NUMBER "52" at 1874.8,1978.35 h3.94 r180; PIN_NUMBER "10" at 1874.8,1564.96 h3.94 r180; PIN_NUMBER "8" at 1876.38,1545.28 h3.94 r180; PIN_NUMBER "38" at 1874.8,1840.55 h3.94 r180; PIN_NUMBER "46" at 1874.8,1919.29 h3.94 r180; PIN_NUMBER "9" at 2073.23,1564.96 h3.94 r180; PIN_NUMBER "33" at 2071.65,1801.18 h3.94 r180; PIN_NUMBER "7" at 2073.23,1545.28 h3.94 r180; PIN_NUMBER "45" at 2071.65,1919.29 h3.94 r180; PIN_NUMBER "26" at 1874.8,1722.44 h3.94 r180; PIN_NUMBER "28" at 1874.8,1742.13 h3.94 r180; PIN_NUMBER "25" at 2071.65,1722.44 h3.94 r180; PIN_NUMBER "27" at 2071.65,1742.13 h3.94 r180; PIN_NUMBER "78" at 1874.8,2234.25 h3.94 r180; PIN_NUMBER "77" at 2071.65,2234.25 h3.94 r180; PIN_NUMBER "82" at 1874.8,2273.62 h3.94 r180; PIN_NUMBER "61" at 2071.65,2076.77 h3.94 r180; PIN_NUMBER "67" at 2071.65,2135.83 h3.94 r180; PIN_NUMBER "63" at 2071.65,2096.46 h3.94 r180; PIN_NUMBER "68" at 1874.8,2135.83 h3.94 r180; PIN_NUMBER "65" at 2071.65,2116.14 h3.94 r180; PIN_NUMBER "83" at 2071.65,2293.31 h3.94 r180; PIN_NUMBER "76" at 1874.8,2214.57 h3.94 r180; PIN_NUMBER "75" at 2071.65,2214.57 h3.94 r180; PIN_NUMBER "94" at 1874.8,2391.73 h3.94 r180; PIN_NUMBER "92" at 1874.8,2372.05 h3.94 r180; PIN_NUMBER "84" at 1874.8,2293.31 h3.94 r180; PIN_NUMBER "98" at 1874.8,2431.1 h3.94 r180; PIN_NUMBER "73" at 2071.65,2194.88 h3.94 r180; PIN_NUMBER "85" at 2071.65,2312.99 h3.94 r180; PIN_NUMBER "74" at 1874.8,2194.88 h3.94 r180; PIN_NUMBER "96" at 1874.8,2411.42 h3.94 r180; PIN_NUMBER "72" at 1874.8,2175.2 h3.94 r180; PIN_NUMBER "71" at 2071.65,2175.2 h3.94 r180; PIN_NUMBER "86" at 1874.8,2312.99 h3.94 r180; PIN_NUMBER "87" at 2071.65,2332.68 h3.94 r180; PIN_NUMBER "88" at 1874.8,2332.68 h3.94 r180; PIN_NUMBER "43" at 2071.65,1899.61 h3.94 r180; PIN_NUMBER "2" at 1876.38,1477.22 h3.94 r180; PIN_NUMBER "51" at 2071.65,1978.35 h3.94 r180; PIN_NUMBER "81" at 2071.65,2273.62 h3.94 r180; PIN_NUMBER "53" at 2071.65,1998.03 h3.94 r180; PIN_NUMBER "57" at 2071.65,2037.4 h3.94 r180; PIN_NUMBER "55" at 2071.65,2017.72 h3.94 r180; PIN_NUMBER "4" at 1876.38,1505.91 h3.94 r180; PIN_NUMBER "22" at 1874.8,1683.07 h3.94 r180; PIN_NUMBER "64" at 1874.8,2096.46 h3.94 r180; PIN_NUMBER "66" at 1874.8,2116.14 h3.94 r180; PIN_NUMBER "19" at 2071.65,1663.39 h3.94 r180; PIN_NUMBER "21" at 2071.65,1683.07 h3.94 r180; PIN_NUMBER "47" at 2071.65,1938.98 h3.94 r180; PIN_NUMBER "41" at 2071.65,1879.92 h3.94 r180; PIN_NUMBER "93" at 2071.65,2391.73 h3.94 r180; PIN_NUMBER "91" at 2071.65,2372.05 h3.94 r180; PIN_NUMBER "29" at 2071.65,1761.81 h3.94 r180; PIN_NUMBER "89" at 2071.65,2352.36 h3.94 r180; PIN_NUMBER "79" at 2071.65,2253.94 h3.94 r180; PIN_NUMBER "69" at 2071.65,2155.51 h3.94 r180; PIN_NUMBER "59" at 2071.65,2057.09 h3.94 r180; PIN_NUMBER "23" at 2071.65,1702.76 h3.94 r180; PIN_NUMBER "49" at 2071.65,1958.66 h3.94 r180; PIN_NUMBER "39" at 2071.65,1860.24 h3.94 r180; PIN_NUMBER "17" at 2071.65,1643.7 h3.94 r180; PIN_NUMBER "11" at 2071.65,1584.65 h3.94 r180; PIN_NUMBER "5" at 2073.23,1525.59 h3.94 r180; PIN_NUMBER "12" at 1874.8,1584.65 h3.94 r180; PIN_NUMBER "18" at 1874.8,1643.7 h3.94 r180; PIN_NUMBER "30" at 1874.8,1761.81 h3.94 r180; PIN_NUMBER "99" at 2071.65,2459.78 h3.94 r180; PIN_NUMBER "100" at 1873.23,2459.78 h3.94 r180; PIN_NUMBER "6" at 1876.38,1525.59 h3.94 r180; PIN_NUMBER "60" at 1874.8,2057.09 h3.94 r180; PIN_NUMBER "50" at 1874.8,1958.66 h3.94 r180; PIN_NUMBER "40" at 1874.8,1860.24 h3.94 r180; PIN_NUMBER "70" at 1874.8,2155.51 h3.94 r180; PIN_NUMBER "80" at 1874.8,2253.94 h3.94 r180; PIN_NUMBER "90" at 1874.8,2352.36 h3.94 r180; PIN_NUMBER "24" at 1874.8,1702.76 h3.94 r180; PIN_NUMBER "1" at 2073.23,1477.22 h3.94 r180; PIN_NUMBER "20" at 1874.8,1663.39 h3.94 r180; PIN_NUMBER "3" at 2073.23,1505.91 h3.94 r180; PIN_NUMBER "97" at 2071.65,2431.1 h3.94 r180; PIN_NUMBER "95" at 2071.65,2411.42 h3.94 r180; PIN_NUMBER "37" at 2071.65,1840.55 h3.94 r180; ASSEMBLY_TOP "*" at 1990.08,1977.36 h25 r180; ASSEMBLY_TOP "*" at 1990.08,1977.36 h25 r180; ASSEMBLY_TOP "CON50x2 REC" at 1990.08,1977.36 h25 r180
JM3: PIN_NUMBER "10" at 2553.94,2854.33 h3.94 r90; PIN_NUMBER "22" at 2672.05,2854.33 h3.94 r90; PIN_NUMBER "24" at 2691.73,2854.33 h3.94 r90; PIN_NUMBER "25" at 2711.42,2657.48 h3.94 r90; PIN_NUMBER "26" at 2711.42,2854.33 h3.94 r90; PIN_NUMBER "27" at 2731.1,2657.48 h3.94 r90; PIN_NUMBER "28" at 2731.1,2854.33 h3.94 r90; PIN_NUMBER "45" at 2908.27,2657.48 h3.94 r90; PIN_NUMBER "47" at 2927.95,2657.48 h3.94 r90; PIN_NUMBER "51" at 2967.32,2657.48 h3.94 r90; PIN_NUMBER "52" at 2967.32,2854.33 h3.94 r90; PIN_NUMBER "53" at 2987.01,2657.48 h3.94 r90; PIN_NUMBER "54" at 2987.01,2854.33 h3.94 r90; PIN_NUMBER "55" at 3006.69,2657.48 h3.94 r90; PIN_NUMBER "56" at 3006.69,2854.33 h3.94 r90; PIN_NUMBER "57" at 3026.38,2657.48 h3.94 r90; PIN_NUMBER "58" at 3026.38,2854.33 h3.94 r90; PIN_NUMBER "62" at 3065.75,2854.33 h3.94 r90; PIN_NUMBER "64" at 3085.43,2854.33 h3.94 r90; PIN_NUMBER "9" at 2555.51,2657.48 h3.94 r90; PIN_NUMBER "92" at 3361.02,2854.33 h3.94 r90; PIN_NUMBER "88" at 3321.65,2854.33 h3.94 r90; PIN_NUMBER "1" at 2467.78,2657.48 h3.94 r90; PIN_NUMBER "2" at 2467.78,2854.33 h3.94 r90; PIN_NUMBER "3" at 2496.46,2657.48 h3.94 r90; PIN_NUMBER "4" at 2496.46,2854.33 h3.94 r90; PIN_NUMBER "5" at 2516.14,2657.48 h3.94 r90; PIN_NUMBER "6" at 2516.14,2854.33 h3.94 r90; PIN_NUMBER "7" at 2535.83,2657.48 h3.94 r90; PIN_NUMBER "8" at 2535.83,2854.33 h3.94 r90; PIN_NUMBER "76" at 3203.54,2854.33 h3.94 r90; PIN_NUMBER "86" at 3301.97,2854.33 h3.94 r90; PIN_NUMBER "96" at 3400.39,2854.33 h3.94 r90; PIN_NUMBER "84" at 3282.28,2854.33 h3.94 r90; PIN_NUMBER "94" at 3380.71,2854.33 h3.94 r90; PIN_NUMBER "98" at 3420.08,2854.33 h3.94 r90; PIN_NUMBER "78" at 3223.23,2854.33 h3.94 r90; PIN_NUMBER "82" at 3262.6,2854.33 h3.94 r90; PIN_NUMBER "61" at 3065.75,2657.48 h3.94 r90; PIN_NUMBER "42" at 2868.9,2854.33 h3.94 r90; PIN_NUMBER "36" at 2809.84,2854.33 h3.94 r90; PIN_NUMBER "43" at 2888.58,2657.48 h3.94 r90; PIN_NUMBER "34" at 2790.16,2854.33 h3.94 r90; PIN_NUMBER "16" at 2612.99,2854.33 h3.94 r90; PIN_NUMBER "41" at 2868.9,2657.48 h3.94 r90; PIN_NUMBER "46" at 2908.27,2854.33 h3.94 r90; PIN_NUMBER "74" at 3183.86,2854.33 h3.94 r90; PIN_NUMBER "38" at 2829.53,2854.33 h3.94 r90; PIN_NUMBER "48" at 2927.95,2854.33 h3.94 r90; PIN_NUMBER "35" at 2809.84,2657.48 h3.94 r90; PIN_NUMBER "37" at 2829.53,2657.48 h3.94 r90; PIN_NUMBER "44" at 2888.58,2854.33 h3.94 r90; PIN_NUMBER "32" at 2770.47,2854.33 h3.94 r90; PIN_NUMBER "14" at 2593.31,2854.33 h3.94 r90; PIN_NUMBER "33" at 2790.16,2657.48 h3.94 r90; PIN_NUMBER "67" at 3124.8,2657.48 h3.94 r90; PIN_NUMBER "91" at 3361.02,2657.48 h3.94 r90; PIN_NUMBER "31" at 2770.47,2657.48 h3.94 r90; PIN_NUMBER "15" at 2612.99,2657.48 h3.94 r90; PIN_NUMBER "18" at 2632.68,2854.33 h3.94 r90; PIN_NUMBER "11" at 2573.62,2657.48 h3.94 r90; PIN_NUMBER "13" at 2593.31,2657.48 h3.94 r90; PIN_NUMBER "95" at 3400.39,2657.48 h3.94 r90; PIN_NUMBER "12" at 2573.62,2854.33 h3.94 r90; PIN_NUMBER "66" at 3105.12,2854.33 h3.94 r90; PIN_NUMBER "68" at 3124.8,2854.33 h3.94 r90; PIN_NUMBER "21" at 2672.05,2657.48 h3.94 r90; PIN_NUMBER "71" at 3164.17,2657.48 h3.94 r90; PIN_NUMBER "65" at 3105.12,2657.48 h3.94 r90; PIN_NUMBER "97" at 3420.08,2657.48 h3.94 r90; PIN_NUMBER "72" at 3164.17,2854.33 h3.94 r90; PIN_NUMBER "17" at 2632.68,2657.48 h3.94 r90; PIN_NUMBER "93" at 3380.71,2657.48 h3.94 r90; PIN_NUMBER "23" at 2691.73,2657.48 h3.94 r90; PIN_NUMBER "87" at 3321.65,2657.48 h3.94 r90; PIN_NUMBER "85" at 3301.97,2657.48 h3.94 r90; PIN_NUMBER "81" at 3262.6,2657.48 h3.94 r90; PIN_NUMBER "75" at 3203.54,2657.48 h3.94 r90; PIN_NUMBER "100" at 3447.19,2854.33 h3.94 r90; PIN_NUMBER "30" at 2750.79,2854.33 h3.94 r90; PIN_NUMBER "20" at 2652.36,2854.33 h3.94 r90; PIN_NUMBER "99" at 3448.76,2657.48 h3.94 r90; PIN_NUMBER "89" at 3341.34,2657.48 h3.94 r90; PIN_NUMBER "79" at 3242.91,2657.48 h3.94 r90; PIN_NUMBER "69" at 3144.49,2657.48 h3.94 r90; PIN_NUMBER "59" at 3046.06,2657.48 h3.94 r90; PIN_NUMBER "49" at 2947.64,2657.48 h3.94 r90; PIN_NUMBER "39" at 2849.21,2657.48 h3.94 r90; PIN_NUMBER "19" at 2652.36,2657.48 h3.94 r90; PIN_NUMBER "29" at 2750.79,2657.48 h3.94 r90; PIN_NUMBER "40" at 2849.21,2854.33 h3.94 r90; PIN_NUMBER "50" at 2947.64,2854.33 h3.94 r90; PIN_NUMBER "60" at 3046.06,2854.33 h3.94 r90; PIN_NUMBER "70" at 3144.49,2854.33 h3.94 r90; PIN_NUMBER "80" at 3242.91,2854.33 h3.94 r90; PIN_NUMBER "90" at 3341.34,2854.33 h3.94 r90; PIN_NUMBER "77" at 3223.23,2657.48 h3.94 r90; PIN_NUMBER "73" at 3183.86,2657.48 h3.94 r90; PIN_NUMBER "83" at 3282.28,2657.48 h3.94 r90; PIN_NUMBER "63" at 3085.43,2657.48 h3.94 r90; ASSEMBLY_TOP "*" at 2969.49,2742.2 h25 r90; ASSEMBLY_TOP "*" at 2969.49,2742.2 h25 r90; ASSEMBLY_TOP "CON50x2 REC" at 2969.49,2742.2 h25 r90
K1: PIN_NUMBER "2" at 1421.82,3493 h25; PIN_NUMBER "1" at 1116.7,3493 h25
K2: PIN_NUMBER "2" at 1421.82,3303 h25; PIN_NUMBER "1" at 1116.7,3303 h25
K3: PIN_NUMBER "2" at 1421.82,3113 h25; PIN_NUMBER "1" at 1116.7,3113 h25
L1: PIN_NUMBER "2" at 1956.73,3340 h3.94; PIN_NUMBER "1" at 1838.61,3340 h3.94; ASSEMBLY_TOP "*" at 1885.55,3331.14 h25; ASSEMBLY_TOP "*" at 1885.55,3331.14 h25; ASSEMBLY_TOP "1.5uH" at 1885.55,3331.14 h25
L2: PIN_NUMBER "2" at 1345.62,2220 h3.94 r180; PIN_NUMBER "1" at 1463.74,2220 h3.94 r180; ASSEMBLY_TOP "*" at 1419.96,2228.86 h25 r180; ASSEMBLY_TOP "*" at 1419.96,2228.86 h25 r180; ASSEMBLY_TOP "1uH" at 1419.96,2228.86 h25 r180
L3: PIN_NUMBER "1" at 303.43,3209.06 h3.94 r270; PIN_NUMBER "2" at 303.43,3090.94 h3.94 r270; ASSEMBLY_TOP "*" at 296.14,3163.7 h25 r270; ASSEMBLY_TOP "*" at 296.14,3163.7 h25 r270; ASSEMBLY_TOP "1uH" at 296.14,3163.7 h25 r270
L4: PIN_NUMBER "2" at 4532.49,2360 h3.94; PIN_NUMBER "1" at 4414.36,2360 h3.94; ASSEMBLY_TOP "*" at 4461.3,2351.14 h25; ASSEMBLY_TOP "*" at 4461.3,2351.14 h25; ASSEMBLY_TOP "1uH" at 4461.3,2351.14 h25
L9: PIN_NUMBER "2" at 568.15,2860 h23.62; PIN_NUMBER "1" at 642.95,2860 h23.62; ASSEMBLY_BOTTOM "?" at 654.37,2820.63 h23.62; ASSEMBLY_BOTTOM "10uH" at 654.37,2860 h23.62; ASSEMBLY_BOTTOM "L0805" at 654.37,2761.57 h23.62